# Altium PCB STM32F207VC.PcbDoc (part 8 of 16) (continued)
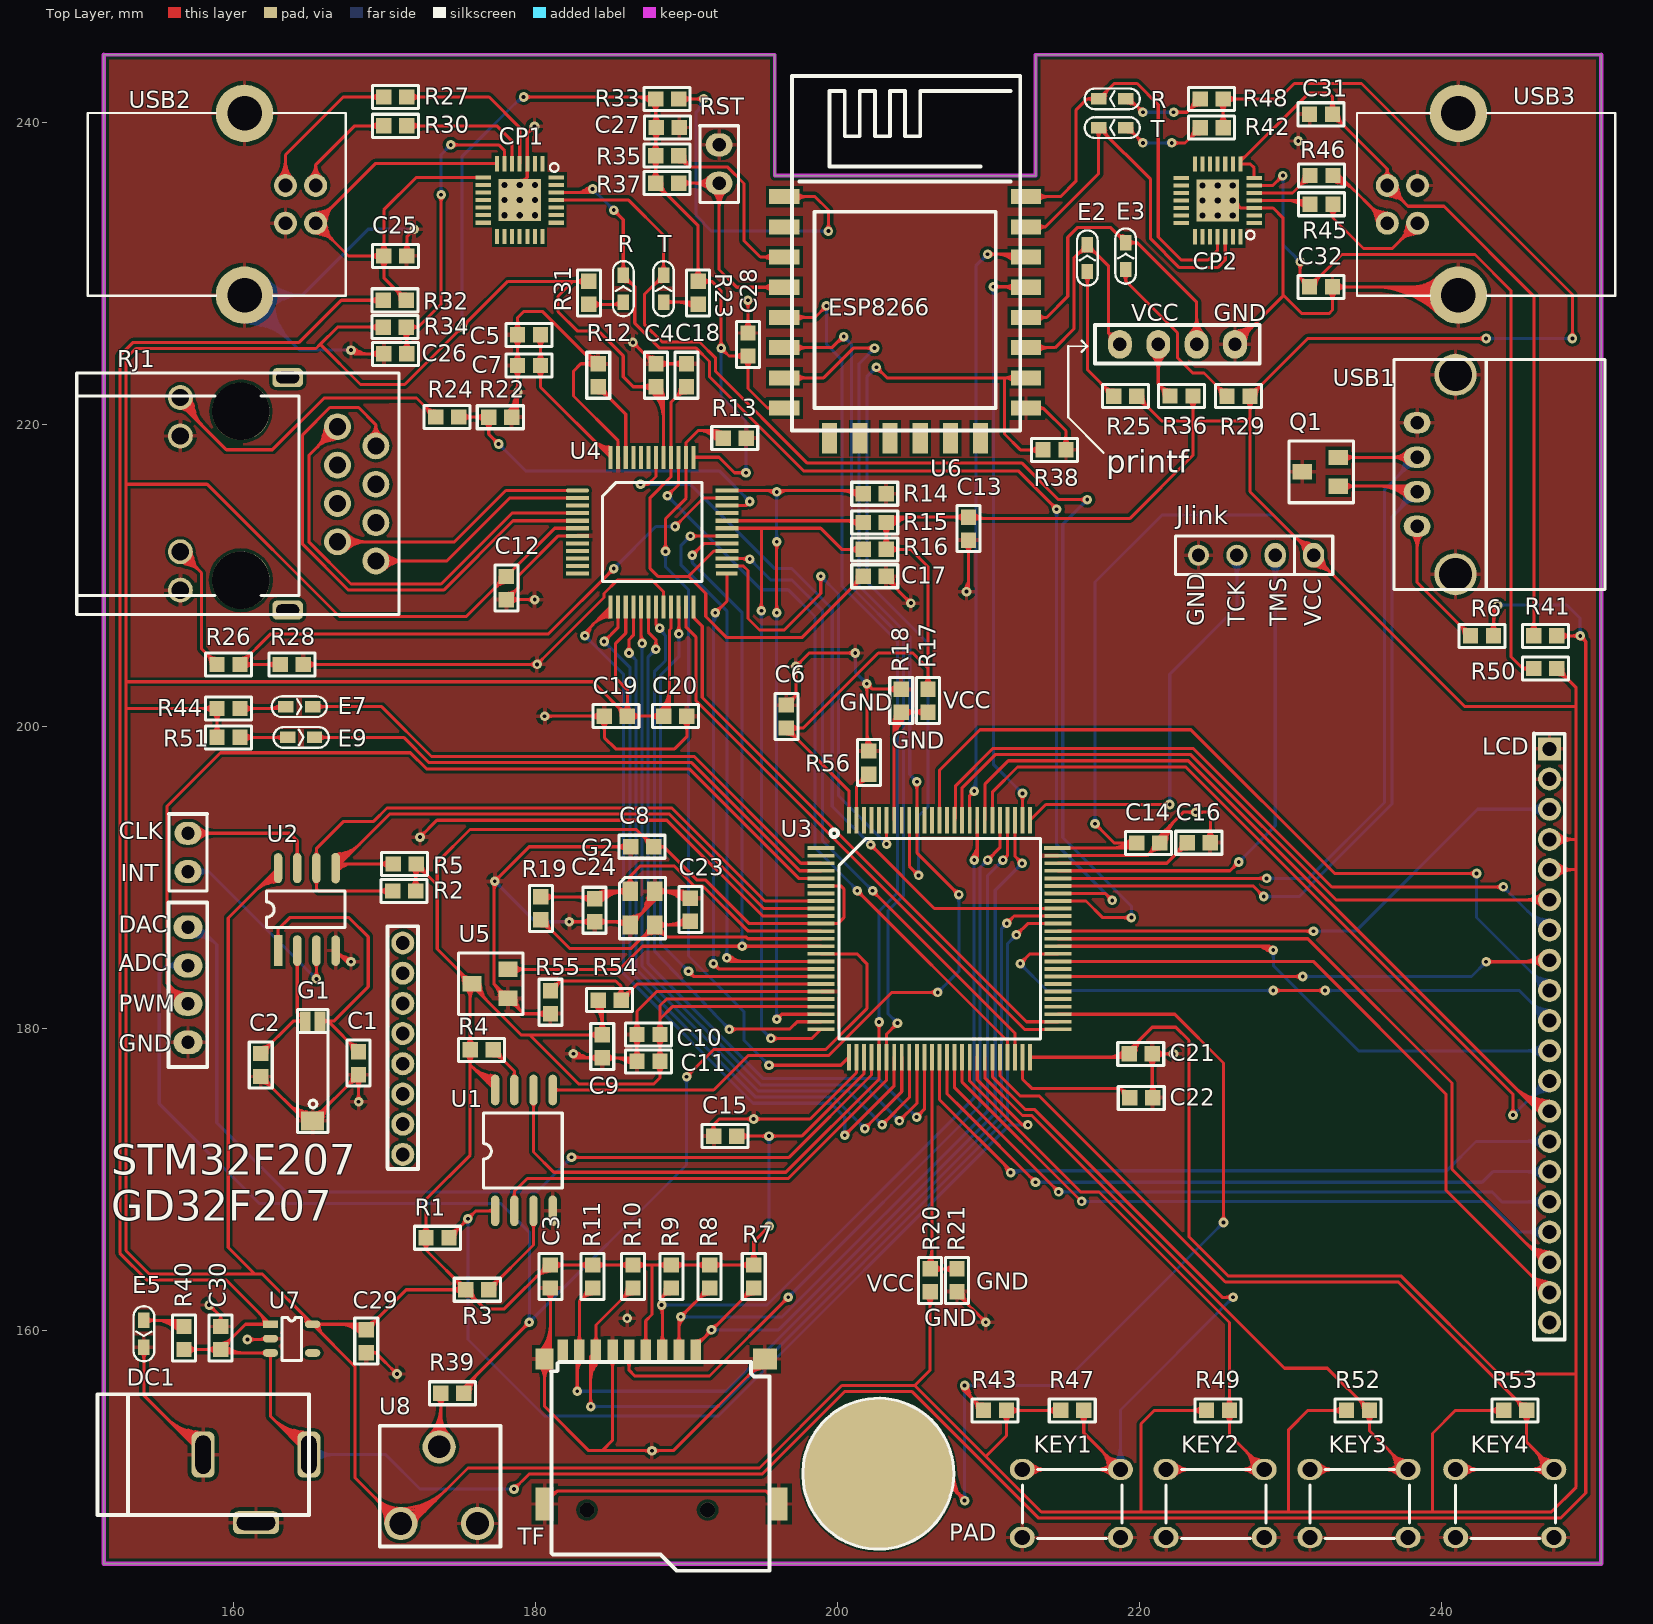
[diagram p0: Top Layer view]
## Nets (pads, with @x,y where several pads share a name; then routed paths per layer and width w, separated by ;. In a path a pad name is that pad's centre, name@x,y a point inside that pad or via, vN(x,y) a via of type N, cw(c..) or ccw(c..) an arc to the next point about the centre after c; other vN are vias at no path point) (continued)
  Bottom Layer w0.203: v1(244.729,174.244) 246.99,176.505 LCD.12@247.147,176.505 ; v1@244.729,174.46 ccw(c244.729,174.981) 245.098,174.613 ; v1@244.729,174.46 ccw(c244.729,174.981) 245.098,174.613 ; v1@244.729,174.46 ccw(c244.729,174.981) 245.098,174.613 ; v1@244.729,174.46 ccw(c244.729,174.981) 245.098,174.613 ; v1@244.945,174.244 cw(c245.466,174.244) 245.098,174.613 ; v1@244.945,174.244 cw(c245.466,174.244) 245.098,174.613 ; v1@244.945,174.244 cw(c245.466,174.244) 245.098,174.613 ; v1@244.945,174.244 cw(c245.466,174.244) 245.098,174.613 ; 245.751,175.266 cw(c247.147,173.87) LCD.12@247.147,175.844 ; 245.751,175.266 cw(c247.147,173.87) LCD.12@247.147,175.844 ; 245.751,175.266 cw(c247.147,173.87) LCD.12@247.147,175.844 ; 245.751,175.266 cw(c247.147,173.87) LCD.12@247.147,175.844 ; 246.098,175.613 cw(c247.147,174.563) LCD.12@247.147,176.047 ; 246.098,175.613 cw(c247.147,174.563) LCD.12@247.147,176.047 ; 246.098,175.613 cw(c247.147,174.563) LCD.12@247.147,176.047 ; 246.098,175.613 cw(c247.147,174.563) LCD.12@247.147,176.047 ; 246.131,175.646 ccw(c245.273,176.505) LCD.12@246.487,176.505 ; 246.131,175.646 ccw(c245.273,176.505) LCD.12@246.487,176.505 ; 246.131,175.646 ccw(c245.273,176.505) LCD.12@246.487,176.505 ; 246.131,175.646 ccw(c245.273,176.505) LCD.12@246.487,176.505 ; 246.445,175.96 cw(c247.147,175.257) LCD.12@247.147,176.251 ; 246.445,175.96 cw(c247.147,175.257) LCD.12@247.147,176.251 ; 246.445,175.96 cw(c247.147,175.257) LCD.12@247.147,176.251 ; 246.445,175.96 cw(c247.147,175.257) LCD.12@247.147,176.251 ; 246.478,175.993 ccw(c245.966,176.505) LCD.12@246.69,176.505 ; 246.478,175.993 ccw(c245.966,176.505) LCD.12@246.69,176.505 ; 246.478,175.993 ccw(c245.966,176.505) LCD.12@246.69,176.505 ; 246.478,175.993 ccw(c245.966,176.505) LCD.12@246.69,176.505
LCD_8BIT_D3: LCD.13 U3.82 | length 165
  Top Layer w0.203: U3.82@209.745,193.778 209.745,196.156 211.303,197.714 223.225,197.714 246.435,174.503 LCD.13@247.147,174.503 ; 246.558,175.08 cw(c246.666,174.106) LCD.13@247.421,174.729 ; 244.804,176.134 ccw(c247.147,178.476) LCD.13@247.147,175.163 ; 244.804,176.134 ccw(c247.147,178.476) LCD.13@247.147,175.163 ; 244.804,176.134 ccw(c247.147,178.476) LCD.13@247.147,175.163 ; 244.804,176.134 ccw(c247.147,178.476) LCD.13@247.147,175.163 ; 245.151,175.787 ccw(c247.147,177.783) LCD.13@247.147,174.96 ; 245.151,175.787 ccw(c247.147,177.783) LCD.13@247.147,174.96 ; 245.151,175.787 ccw(c247.147,177.783) LCD.13@247.147,174.96 ; 245.151,175.787 ccw(c247.147,177.783) LCD.13@247.147,174.96 ; 245.498,175.44 ccw(c247.147,177.089) LCD.13@247.147,174.757 ; 245.498,175.44 ccw(c247.147,177.089) LCD.13@247.147,174.757 ; 245.498,175.44 ccw(c247.147,177.089) LCD.13@247.147,174.757 ; 245.498,175.44 ccw(c247.147,177.089) LCD.13@247.147,174.757 ; 245.734,175.464 cw(c245.299,173.416) LCD.13@247.103,174.477 ; 245.734,175.464 cw(c245.299,173.416) LCD.13@247.103,174.477 ; 245.734,175.464 cw(c245.299,173.416) LCD.13@247.103,174.477 ; 245.734,175.464 cw(c245.299,173.416) LCD.13@247.103,174.477 ; 245.734,175.464 cw(c245.299,173.416) LCD.13@247.103,174.477 ; 245.734,175.464 cw(c245.299,173.416) LCD.13@247.103,174.477 ; 245.837,175.29 cw(c245.44,173.712) LCD.13@246.917,174.396 ; 245.837,175.29 cw(c245.44,173.712) LCD.13@246.917,174.396 ; 245.837,175.29 cw(c245.44,173.712) LCD.13@246.917,174.396 ; 245.837,175.29 cw(c245.44,173.712) LCD.13@246.917,174.396 ; 245.837,175.29 cw(c245.44,173.712) LCD.13@246.917,174.396 ; 245.837,175.29 cw(c245.44,173.712) LCD.13@246.917,174.396 ; 245.845,175.093 ccw(c247.147,176.395) LCD.13@247.147,174.554 ; 245.845,175.093 ccw(c247.147,176.395) LCD.13@247.147,174.554 ; 245.845,175.093 ccw(c247.147,176.395) LCD.13@247.147,174.554 ; 245.845,175.093 ccw(c247.147,176.395) LCD.13@247.147,174.554 ; 245.939,175.081 cw(c245.647,173.991) LCD.13@246.714,174.355 ; 245.939,175.081 cw(c245.647,173.991) LCD.13@246.714,174.355 ; 245.939,175.081 cw(c245.647,173.991) LCD.13@246.714,174.355 ; 245.939,175.081 cw(c245.647,173.991) LCD.13@246.714,174.355 ; 245.939,175.081 cw(c245.647,173.991) LCD.13@246.714,174.355 ; 245.939,175.081 cw(c245.647,173.991) LCD.13@246.714,174.355 ; 246.144,174.823 cw(c246.022,174.366) LCD.13@246.492,174.423 ; 246.144,174.823 ccw(c246.286,175.353) LCD.13@246.677,174.967 ; 246.144,174.823 cw(c246.022,174.366) LCD.13@246.492,174.423 ; 246.144,174.823 ccw(c246.286,175.353) LCD.13@246.677,174.967 ; 246.144,174.823 cw(c246.022,174.366) LCD.13@246.492,174.423 ; 246.144,174.823 ccw(c246.286,175.353) LCD.13@246.677,174.967 ; 246.144,174.823 ccw(c246.286,175.353) LCD.13@246.677,174.967 ; 246.144,174.823 cw(c246.022,174.366) LCD.13@246.492,174.423 ; 246.144,174.823 ccw(c246.286,175.353) LCD.13@246.677,174.967 ; 246.144,174.823 cw(c246.022,174.366) LCD.13@246.492,174.423 ; 246.144,174.823 ccw(c246.286,175.353) LCD.13@246.677,174.967 ; 246.144,174.823 cw(c246.022,174.366) LCD.13@246.492,174.423 ; 246.185,175.368 cw(c245.838,173.733) LCD.13@247.278,174.58 ; 246.185,175.368 cw(c245.838,173.733) LCD.13@247.278,174.58 ; 246.185,175.368 cw(c245.838,173.733) LCD.13@247.278,174.58 ; 246.185,175.368 cw(c245.838,173.733) LCD.13@247.278,174.58 ; 246.185,175.368 cw(c245.838,173.733) LCD.13@247.278,174.58 ; 246.185,175.368 cw(c245.838,173.733) LCD.13@247.278,174.58 ; 246.192,174.746 ccw(c247.147,175.701) LCD.13@247.147,174.351 ; 246.192,174.746 ccw(c247.147,175.701) LCD.13@247.147,174.351 ; 246.192,174.746 ccw(c247.147,175.701) LCD.13@247.147,174.351 ; 246.192,174.746 ccw(c247.147,175.701) LCD.13@247.147,174.351 ; 246.243,174.999 ccw(c246.439,175.73) LCD.13@246.817,175.075 ; 246.243,174.999 ccw(c246.439,175.73) LCD.13@246.817,175.075 ; 246.243,174.999 ccw(c246.439,175.73) LCD.13@246.817,175.075 ; 246.243,174.999 ccw(c246.439,175.73) LCD.13@246.817,175.075 ; 246.243,174.999 ccw(c246.439,175.73) LCD.13@246.817,175.075 ; 246.243,174.999 ccw(c246.439,175.73) LCD.13@246.817,175.075 ; 246.251,175.186 cw(c245.937,173.942) LCD.13@247.101,174.482 ; 246.251,175.186 cw(c245.937,173.942) LCD.13@247.101,174.482 ; 246.251,175.186 cw(c245.937,173.942) LCD.13@247.101,174.482 ; 246.251,175.186 cw(c245.937,173.942) LCD.13@247.101,174.482 ; 246.251,175.186 cw(c245.937,173.942) LCD.13@247.101,174.482 ; 246.251,175.186 cw(c245.937,173.942) LCD.13@247.101,174.482 ; 246.307,174.982 cw(c246.081,174.139) LCD.13@246.907,174.421 ; 246.307,174.982 cw(c246.081,174.139) LCD.13@246.907,174.421 ; 246.307,174.982 cw(c246.081,174.139) LCD.13@246.907,174.421 ; 246.307,174.982 cw(c246.081,174.139) LCD.13@246.907,174.421 ; 246.307,174.982 cw(c246.081,174.139) LCD.13@246.907,174.421 ; 246.307,174.982 cw(c246.081,174.139) LCD.13@246.907,174.421 ; 246.332,175.237 cw(c245.892,174.79) LCD.13@246.503,174.65 ; 246.332,175.237 ccw(c246.711,175.622) LCD.13@246.907,175.118 ; 246.332,175.237 ccw(c246.711,175.622) LCD.13@246.907,175.118 ; 246.332,175.237 cw(c245.892,174.79) LCD.13@246.503,174.65 ; 246.332,175.237 ccw(c246.711,175.622) LCD.13@246.907,175.118 ; 246.332,175.237 cw(c245.892,174.79) LCD.13@246.503,174.65 ; 246.332,175.237 ccw(c246.711,175.622) LCD.13@246.907,175.118 ; 246.332,175.237 cw(c245.892,174.79) LCD.13@246.503,174.65 ; 246.348,175.077 cw(c245.856,174.666) LCD.13@246.492,174.586 ; 246.348,175.077 ccw(c246.573,175.265) LCD.13@246.75,175.031 ; 246.348,175.077 ccw(c246.573,175.265) LCD.13@246.75,175.031 ; 246.348,175.077 cw(c245.856,174.666) LCD.13@246.492,174.586 ; 246.348,175.077 ccw(c246.573,175.265) LCD.13@246.75,175.031 ; 246.348,175.077 cw(c245.856,174.666) LCD.13@246.492,174.586 ; 246.348,175.077 ccw(c246.573,175.265) LCD.13@246.75,175.031 ; 246.348,175.077 cw(c245.856,174.666) LCD.13@246.492,174.586 ; 246.485,174.913 ccw(c246.702,175.094) LCD.13@246.872,174.868 ; 246.485,174.913 ccw(c246.702,175.094) LCD.13@246.872,174.868 ; 246.485,174.913 ccw(c246.702,175.094) LCD.13@246.872,174.868 ; 246.485,174.913 ccw(c246.702,175.094) LCD.13@246.872,174.868 ; 246.555,175.017 ccw(c246.836,175.302) LCD.13@246.981,174.929 ; 246.555,175.017 ccw(c246.836,175.302) LCD.13@246.981,174.929 ; 246.555,175.017 ccw(c246.836,175.302) LCD.13@246.981,174.929 ; 246.555,175.017 ccw(c246.836,175.302) LCD.13@246.981,174.929 ; 246.636,175.272 cw(c246.377,174.05) LCD.13@247.454,174.683 ; 246.636,175.272 cw(c246.377,174.05) LCD.13@247.454,174.683 ; 246.636,175.272 cw(c246.377,174.05) LCD.13@247.454,174.683 ; 246.636,175.272 cw(c246.377,174.05) LCD.13@247.454,174.683 ; 246.636,175.272 cw(c246.377,174.05) LCD.13@247.454,174.683 ; 246.636,175.272 cw(c246.377,174.05) LCD.13@247.454,174.683 ; 246.66,175.189 cw(c246.542,175.069) LCD.13@246.665,174.954 ; 246.66,175.189 ccw(c246.845,175.377) LCD.13@246.932,175.127 ; 246.66,175.189 ccw(c246.845,175.377) LCD.13@246.932,175.127 ; 246.66,175.189 cw(c246.542,175.069) LCD.13@246.665,174.954 ; 246.66,175.189 ccw(c246.845,175.377) LCD.13@246.932,175.127 ; 246.66,175.189 cw(c246.542,175.069) LCD.13@246.665,174.954 ; 246.66,175.189 ccw(c246.845,175.377) LCD.13@246.932,175.127 ; 246.66,175.189 cw(c246.542,175.069) LCD.13@246.665,174.954
LCD_8BIT_D4: LCD.14 U3.38 | length 72.5
  Top Layer w0.203: U3.38@206.745,178.078 206.745,175.271 207.01,175.006 v1@211.455,170.561 ; 210.997,171.019 cw(c210.411,170.434) v1@211.239,170.434 ; 210.997,171.019 cw(c210.411,170.434) v1@211.239,170.434 ; 210.997,171.019 cw(c210.411,170.434) v1@211.239,170.434 ; 210.997,171.019 cw(c210.411,170.434) v1@211.239,170.434 ; 211.139,170.806 ccw(c211.658,170.945) v1@211.46,170.446 ; 211.139,170.806 ccw(c211.658,170.945) v1@211.46,170.446 ; 211.139,170.806 ccw(c211.658,170.945) v1@211.46,170.446 ; 211.139,170.806 ccw(c211.658,170.945) v1@211.46,170.446 ; 211.139,170.806 ccw(c211.658,170.945) v1@211.46,170.446
  Bottom Layer w0.203: v1@211.455,170.561 240.335,170.561 242.278,172.504 LCD.14@247.147,172.504 ; v1@211.464,170.425 cw(c211.792,170.097) 211.792,170.561 ; v1@211.464,170.425 cw(c211.792,170.097) 211.792,170.561 ; v1@211.464,170.425 cw(c211.792,170.097) 211.792,170.561 ; v1@211.464,170.425 cw(c211.792,170.097) 211.792,170.561 ; v1@211.608,170.281 cw(c212.283,169.606) 212.283,170.561 ; v1@211.608,170.281 cw(c212.283,169.606) 212.283,170.561 ; v1@211.608,170.281 cw(c212.283,169.606) 212.283,170.561 ; v1@211.608,170.281 cw(c212.283,169.606) 212.283,170.561 ; 245.553,172.504 cw(c245.553,170.91) LCD.14@246.68,172.037 ; 245.553,172.504 ccw(c245.553,174.098) LCD.14@246.68,172.971 ; 245.553,172.504 cw(c245.553,170.91) LCD.14@246.68,172.037 ; 245.553,172.504 ccw(c245.553,174.098) LCD.14@246.68,172.971 ; 245.553,172.504 ccw(c245.553,174.098) LCD.14@246.68,172.971 ; 245.553,172.504 cw(c245.553,170.91) LCD.14@246.68,172.037 ; 245.553,172.504 ccw(c245.553,174.098) LCD.14@246.68,172.971 ; 245.553,172.504 cw(c245.553,170.91) LCD.14@246.68,172.037 ; 246.043,172.504 cw(c246.043,171.4) LCD.14@246.824,172.181 ; 246.043,172.504 ccw(c246.043,173.608) LCD.14@246.824,172.827 ; 246.043,172.504 cw(c246.043,171.4) LCD.14@246.824,172.181 ; 246.043,172.504 ccw(c246.043,173.608) LCD.14@246.824,172.827 ; 246.043,172.504 ccw(c246.043,173.608) LCD.14@246.824,172.827 ; 246.043,172.504 cw(c246.043,171.4) LCD.14@246.824,172.181 ; 246.043,172.504 ccw(c246.043,173.608) LCD.14@246.824,172.827 ; 246.043,172.504 cw(c246.043,171.4) LCD.14@246.824,172.181
  other v1: 211.455,170.434
LCD_8BIT_D5: LCD.15 U3.39 | length 73.7
  Top Layer w0.203: U3.39@207.245,178.078 207.245,175.66 208.407,174.498 v1(213.106,169.799) ; 212.737,170.168 cw(c212.369,169.799) v1@212.89,169.799 ; 212.737,170.168 ccw(c213.106,170.536) v1@213.106,170.015 ; 212.737,170.168 cw(c212.369,169.799) v1@212.89,169.799 ; 212.737,170.168 ccw(c213.106,170.536) v1@213.106,170.015 ; 212.737,170.168 ccw(c213.106,170.536) v1@213.106,170.015 ; 212.737,170.168 cw(c212.369,169.799) v1@212.89,169.799 ; 212.737,170.168 ccw(c213.106,170.536) v1@213.106,170.015 ; 212.737,170.168 cw(c212.369,169.799) v1@212.89,169.799 ; 212.812,170.091 ccw(c213.186,170.191) v1@213.109,169.811 ; 212.812,170.091 ccw(c213.186,170.191) v1@213.109,169.811 ; 212.812,170.091 ccw(c213.186,170.191) v1@213.109,169.811 ; 212.812,170.091 ccw(c213.186,170.191) v1@213.109,169.811 ; 212.812,170.091 ccw(c213.186,170.191) v1@213.109,169.811 ; 212.812,170.091 ccw(c213.186,170.191) v1@213.109,169.811 ; 212.814,170.093 cw(c212.714,169.719) v1@213.094,169.796 ; 212.814,170.093 cw(c212.714,169.719) v1@213.094,169.796 ; 212.814,170.093 cw(c212.714,169.719) v1@213.094,169.796 ; 212.814,170.093 cw(c212.714,169.719) v1@213.094,169.796 ; 212.814,170.093 cw(c212.714,169.719) v1@213.094,169.796 ; 212.814,170.093 cw(c212.714,169.719) v1@213.094,169.796
  Bottom Layer w0.203: v1(213.106,169.799) 242.687,169.799 243.39,170.503 LCD.15@247.147,170.503 ; v1@213.259,169.646 cw(c213.627,169.278) 213.627,169.799 ; v1@213.259,169.646 cw(c213.627,169.278) 213.627,169.799 ; v1@213.259,169.646 cw(c213.627,169.278) 213.627,169.799 ; v1@213.259,169.646 cw(c213.627,169.278) 213.627,169.799 ; v1@213.259,169.952 ccw(c213.627,170.32) 213.627,169.799 ; v1@213.259,169.952 ccw(c213.627,170.32) 213.627,169.799 ; v1@213.259,169.952 ccw(c213.627,170.32) 213.627,169.799 ; v1@213.259,169.952 ccw(c213.627,170.32) 213.627,169.799 ; 245.553,170.503 cw(c245.553,168.908) LCD.15@246.68,170.036 ; 245.553,170.503 ccw(c245.553,172.097) LCD.15@246.68,170.97 ; 245.553,170.503 cw(c245.553,168.908) LCD.15@246.68,170.036 ; 245.553,170.503 ccw(c245.553,172.097) LCD.15@246.68,170.97 ; 245.553,170.503 ccw(c245.553,172.097) LCD.15@246.68,170.97 ; 245.553,170.503 cw(c245.553,168.908) LCD.15@246.68,170.036 ; 245.553,170.503 ccw(c245.553,172.097) LCD.15@246.68,170.97 ; 245.553,170.503 cw(c245.553,168.908) LCD.15@246.68,170.036 ; 246.043,170.503 cw(c246.043,169.399) LCD.15@246.824,170.179 ; 246.043,170.503 ccw(c246.043,171.606) LCD.15@246.824,170.826 ; 246.043,170.503 cw(c246.043,169.399) LCD.15@246.824,170.179 ; 246.043,170.503 ccw(c246.043,171.606) LCD.15@246.824,170.826 ; 246.043,170.503 ccw(c246.043,171.606) LCD.15@246.824,170.826 ; 246.043,170.503 cw(c246.043,169.399) LCD.15@246.824,170.179 ; 246.043,170.503 ccw(c246.043,171.606) LCD.15@246.824,170.826 ; 246.043,170.503 cw(c246.043,169.399) LCD.15@246.824,170.179
LCD_8BIT_D6: LCD.16 U3.40 | length 73.2
  Top Layer w0.203: U3.40@207.745,178.078 207.745,176.049 209.804,173.99 v1(214.63,169.164) ; 214.261,169.533 cw(c213.893,169.164) v1@214.414,169.164 ; 214.261,169.533 ccw(c214.63,169.901) v1@214.63,169.38 ; 214.261,169.533 cw(c213.893,169.164) v1@214.414,169.164 ; 214.261,169.533 ccw(c214.63,169.901) v1@214.63,169.38 ; 214.261,169.533 ccw(c214.63,169.901) v1@214.63,169.38 ; 214.261,169.533 cw(c213.893,169.164) v1@214.414,169.164 ; 214.261,169.533 ccw(c214.63,169.901) v1@214.63,169.38 ; 214.261,169.533 cw(c213.893,169.164) v1@214.414,169.164 ; 214.336,169.456 ccw(c214.71,169.556) v1@214.633,169.176 ; 214.336,169.456 ccw(c214.71,169.556) v1@214.633,169.176 ; 214.336,169.456 ccw(c214.71,169.556) v1@214.633,169.176 ; 214.336,169.456 ccw(c214.71,169.556) v1@214.633,169.176 ; 214.336,169.456 ccw(c214.71,169.556) v1@214.633,169.176 ; 214.336,169.456 ccw(c214.71,169.556) v1@214.633,169.176 ; 214.338,169.458 cw(c214.238,169.084) v1@214.618,169.161 ; 214.338,169.458 cw(c214.238,169.084) v1@214.618,169.161 ; 214.338,169.458 cw(c214.238,169.084) v1@214.618,169.161 ; 214.338,169.458 cw(c214.238,169.084) v1@214.618,169.161 ; 214.338,169.458 cw(c214.238,169.084) v1@214.618,169.161 ; 214.338,169.458 cw(c214.238,169.084) v1@214.618,169.161
  Bottom Layer w0.203: v1(214.63,169.164) 243.332,169.164 243.992,168.504 LCD.16@247.147,168.504 ; v1@214.783,169.011 cw(c215.151,168.643) 215.151,169.164 ; v1@214.783,169.011 cw(c215.151,168.643) 215.151,169.164 ; v1@214.783,169.011 cw(c215.151,168.643) 215.151,169.164 ; v1@214.783,169.011 cw(c215.151,168.643) 215.151,169.164 ; v1@214.783,169.317 ccw(c215.151,169.685) 215.151,169.164 ; v1@214.783,169.317 ccw(c215.151,169.685) 215.151,169.164 ; v1@214.783,169.317 ccw(c215.151,169.685) 215.151,169.164 ; v1@214.783,169.317 ccw(c215.151,169.685) 215.151,169.164 ; 245.553,168.504 cw(c245.553,166.909) LCD.16@246.68,168.037 ; 245.553,168.504 ccw(c245.553,170.098) LCD.16@246.68,168.971 ; 245.553,168.504 cw(c245.553,166.909) LCD.16@246.68,168.037 ; 245.553,168.504 ccw(c245.553,170.098) LCD.16@246.68,168.971 ; 245.553,168.504 ccw(c245.553,170.098) LCD.16@246.68,168.971 ; 245.553,168.504 cw(c245.553,166.909) LCD.16@246.68,168.037 ; 245.553,168.504 ccw(c245.553,170.098) LCD.16@246.68,168.971 ; 245.553,168.504 cw(c245.553,166.909) LCD.16@246.68,168.037 ; 246.043,168.504 cw(c246.043,167.4) LCD.16@246.824,168.18 ; 246.043,168.504 ccw(c246.043,169.607) LCD.16@246.824,168.827 ; 246.043,168.504 cw(c246.043,167.4) LCD.16@246.824,168.18 ; 246.043,168.504 ccw(c246.043,169.607) LCD.16@246.824,168.827 ; 246.043,168.504 ccw(c246.043,169.607) LCD.16@246.824,168.827 ; 246.043,168.504 cw(c246.043,167.4) LCD.16@246.824,168.18 ; 246.043,168.504 ccw(c246.043,169.607) LCD.16@246.824,168.827 ; 246.043,168.504 cw(c246.043,167.4) LCD.16@246.824,168.18
LCD_8BIT_D7: LCD.17 U3.41 | length 64.9
  Top Layer w0.203: U3.41@208.245,178.078 208.245,176.432 216.148,168.529 v1(216.154,168.529)
  Bottom Layer w0.203: v1(216.154,168.529) 243.078,168.529 245.102,166.505 LCD.17@247.147,166.505 ; v1@216.307,168.376 cw(c216.675,168.008) 216.675,168.529 ; v1@216.307,168.376 cw(c216.675,168.008) 216.675,168.529 ; v1@216.307,168.376 cw(c216.675,168.008) 216.675,168.529 ; v1@216.307,168.376 cw(c216.675,168.008) 216.675,168.529 ; v1@216.307,168.682 ccw(c216.675,169.05) 216.675,168.529 ; v1@216.307,168.682 ccw(c216.675,169.05) 216.675,168.529 ; v1@216.307,168.682 ccw(c216.675,169.05) 216.675,168.529 ; v1@216.307,168.682 ccw(c216.675,169.05) 216.675,168.529 ; 245.553,166.505 cw(c245.553,164.91) LCD.17@246.68,166.038 ; 245.553,166.505 ccw(c245.553,168.099) LCD.17@246.68,166.972 ; 245.553,166.505 cw(c245.553,164.91) LCD.17@246.68,166.038 ; 245.553,166.505 ccw(c245.553,168.099) LCD.17@246.68,166.972 ; 245.553,166.505 ccw(c245.553,168.099) LCD.17@246.68,166.972 ; 245.553,166.505 cw(c245.553,164.91) LCD.17@246.68,166.038 ; 245.553,166.505 ccw(c245.553,168.099) LCD.17@246.68,166.972 ; 245.553,166.505 cw(c245.553,164.91) LCD.17@246.68,166.038 ; 246.043,166.505 cw(c246.043,165.401) LCD.17@246.824,166.181 ; 246.043,166.505 ccw(c246.043,167.608) LCD.17@246.824,166.828 ; 246.043,166.505 cw(c246.043,165.401) LCD.17@246.824,166.181 ; 246.043,166.505 ccw(c246.043,167.608) LCD.17@246.824,166.828 ; 246.043,166.505 ccw(c246.043,167.608) LCD.17@246.824,166.828 ; 246.043,166.505 cw(c246.043,165.401) LCD.17@246.824,166.181 ; 246.043,166.505 ccw(c246.043,167.608) LCD.17@246.824,166.828 ; 246.043,166.505 cw(c246.043,165.401) LCD.17@246.824,166.181
LCD_8BIT_D/C: LCD.8 U3.58 | length 66
  Top Layer w0.203: U3.58@214.595,183.428 v1(230.799,183.428) ; v1(242.951,184.404) 247.048,184.404 LCD.8@247.147,184.503 ; 230.278,183.428 cw(c230.278,182.907) v1@230.646,183.275 ; 230.278,183.428 ccw(c230.278,183.949) v1@230.646,183.581 ; 230.278,183.428 cw(c230.278,182.907) v1@230.646,183.275 ; 230.278,183.428 ccw(c230.278,183.949) v1@230.646,183.581 ; 230.278,183.428 ccw(c230.278,183.949) v1@230.646,183.581 ; 230.278,183.428 cw(c230.278,182.907) v1@230.646,183.275 ; 230.278,183.428 ccw(c230.278,183.949) v1@230.646,183.581 ; 230.278,183.428 cw(c230.278,182.907) v1@230.646,183.275 ; v1@243.104,184.251 cw(c243.472,183.883) 243.472,184.404 ; v1@243.104,184.251 cw(c243.472,183.883) 243.472,184.404 ; v1@243.104,184.251 cw(c243.472,183.883) 243.472,184.404 ; v1@243.104,184.251 cw(c243.472,183.883) 243.472,184.404 ; v1@243.104,184.557 ccw(c243.472,184.925) 243.472,184.404 ; v1@243.104,184.557 ccw(c243.472,184.925) 243.472,184.404 ; v1@243.104,184.557 ccw(c243.472,184.925) 243.472,184.404 ; v1@243.104,184.557 ccw(c243.472,184.925) 243.472,184.404 ; 245.314,184.404 ccw(c245.314,186.337) LCD.8@246.68,184.97 ; 245.314,184.404 ccw(c245.314,186.337) LCD.8@246.68,184.97 ; 245.314,184.404 ccw(c245.314,186.337) LCD.8@246.68,184.97 ; 245.314,184.404 ccw(c245.314,186.337) LCD.8@246.68,184.97 ; 245.792,184.404 cw(c245.792,183.148) LCD.8@246.68,184.036 ; 245.792,184.404 cw(c245.792,183.148) LCD.8@246.68,184.036 ; 245.792,184.404 cw(c245.792,183.148) LCD.8@246.68,184.036 ; 245.792,184.404 cw(c245.792,183.148) LCD.8@246.68,184.036 ; 245.804,184.404 ccw(c245.804,185.846) LCD.8@246.824,184.826 ; 245.804,184.404 ccw(c245.804,185.846) LCD.8@246.824,184.826 ; 245.804,184.404 ccw(c245.804,185.846) LCD.8@246.824,184.826 ; 245.804,184.404 ccw(c245.804,185.846) LCD.8@246.824,184.826 ; 246.282,184.404 cw(c246.282,183.638) LCD.8@246.824,184.18 ; 246.282,184.404 cw(c246.282,183.638) LCD.8@246.824,184.18 ; 246.282,184.404 cw(c246.282,183.638) LCD.8@246.824,184.18 ; 246.282,184.404 cw(c246.282,183.638) LCD.8@246.824,184.18 ; 246.295,184.404 ccw(c246.295,185.355) LCD.8@246.967,184.683 ; 246.295,184.404 ccw(c246.295,185.355) LCD.8@246.967,184.683 ; 246.295,184.404 ccw(c246.295,185.355) LCD.8@246.967,184.683 ; 246.295,184.404 ccw(c246.295,185.355) LCD.8@246.967,184.683
  Bottom Layer w0.203: v1(230.799,183.428) 241.975,183.428 v1(242.951,184.404) ; v1@230.952,183.275 cw(c231.32,182.907) 231.32,183.428 ; v1@230.952,183.275 cw(c231.32,182.907) 231.32,183.428 ; v1@230.952,183.275 cw(c231.32,182.907) 231.32,183.428 ; v1@230.952,183.275 cw(c231.32,182.907) 231.32,183.428 ; v1@230.952,183.581 ccw(c231.32,183.949) 231.32,183.428 ; v1@230.952,183.581 ccw(c231.32,183.949) 231.32,183.428 ; v1@230.952,183.581 ccw(c231.32,183.949) 231.32,183.428 ; v1@230.952,183.581 ccw(c231.32,183.949) 231.32,183.428 ; 242.582,184.035 cw(c242.951,183.667) v1@242.951,184.188 ; 242.582,184.035 ccw(c242.214,184.404) v1@242.735,184.404 ; 242.582,184.035 cw(c242.951,183.667) v1@242.951,184.188 ; 242.582,184.035 ccw(c242.214,184.404) v1@242.735,184.404 ; 242.582,184.035 ccw(c242.214,184.404) v1@242.735,184.404 ; 242.582,184.035 cw(c242.951,183.667) v1@242.951,184.188 ; 242.582,184.035 ccw(c242.214,184.404) v1@242.735,184.404 ; 242.582,184.035 cw(c242.951,183.667) v1@242.951,184.188
LCD_8BIT_FMARK: LCD.19 U3.60 | length 100.7
  Top Layer w0.203: U3.60@214.595,184.428 231.497,184.428 240.284,175.641 240.284,169.291 247.073,162.502 LCD.19@247.142,162.502 ; 245.898,163.677 ccw(c247.142,164.922) LCD.19@247.142,163.162 ; 245.898,163.677 ccw(c247.142,164.922) LCD.19@247.142,163.162 ; 245.898,163.677 ccw(c247.142,164.922) LCD.19@247.142,163.162 ; 245.898,163.677 ccw(c247.142,164.922) LCD.19@247.142,163.162 ; 246.063,163.512 cw(c245.053,162.502) LCD.19@246.482,162.502 ; 246.063,163.512 cw(c245.053,162.502) LCD.19@246.482,162.502 ; 246.063,163.512 cw(c245.053,162.502) LCD.19@246.482,162.502 ; 246.063,163.512 cw(c245.053,162.502) LCD.19@246.482,162.502 ; 246.187,163.418 cw(c245.858,162.191) LCD.19@247.093,162.49 ; 246.187,163.418 cw(c245.858,162.191) LCD.19@247.093,162.49 ; 246.187,163.418 cw(c245.858,162.191) LCD.19@247.093,162.49 ; 246.187,163.418 cw(c245.858,162.191) LCD.19@247.093,162.49 ; 246.187,163.418 cw(c245.858,162.191) LCD.19@247.093,162.49 ; 246.187,163.418 cw(c245.858,162.191) LCD.19@247.093,162.49 ; 246.244,163.331 ccw(c247.142,164.228) LCD.19@247.142,162.959 ; 246.244,163.331 ccw(c247.142,164.228) LCD.19@247.142,162.959 ; 246.244,163.331 ccw(c247.142,164.228) LCD.19@247.142,162.959 ; 246.244,163.331 ccw(c247.142,164.228) LCD.19@247.142,162.959 ; 246.331,163.064 ccw(c247.277,163.318) LCD.19@247.117,162.351 ; 246.331,163.064 ccw(c247.277,163.318) LCD.19@247.117,162.351 ; 246.331,163.064 ccw(c247.277,163.318) LCD.19@247.117,162.351 ; 246.331,163.064 ccw(c247.277,163.318) LCD.19@247.117,162.351 ; 246.331,163.064 ccw(c247.277,163.318) LCD.19@247.117,162.351 ; 246.331,163.064 ccw(c247.277,163.318) LCD.19@247.117,162.351 ; 246.41,163.165 cw(c245.747,162.502) LCD.19@246.685,162.502 ; 246.41,163.165 cw(c245.747,162.502) LCD.19@246.685,162.502 ; 246.41,163.165 cw(c245.747,162.502) LCD.19@246.685,162.502 ; 246.41,163.165 cw(c245.747,162.502) LCD.19@246.685,162.502 ; 246.412,162.76 ccw(c247.221,162.976) LCD.19@247.084,162.151 ; 246.412,162.76 ccw(c247.221,162.976) LCD.19@247.084,162.151 ; 246.412,162.76 ccw(c247.221,162.976) LCD.19@247.084,162.151 ; 246.412,162.76 ccw(c247.221,162.976) LCD.19@247.084,162.151 ; 246.412,162.76 ccw(c247.221,162.976) LCD.19@247.084,162.151 ; 246.412,162.76 ccw(c247.221,162.976) LCD.19@247.084,162.151 ; 246.517,163.329 cw(c246.237,162.283) LCD.19@247.29,162.537 ; 246.517,163.329 cw(c246.237,162.283) LCD.19@247.29,162.537 ; 246.517,163.329 cw(c246.237,162.283) LCD.19@247.29,162.537 ; 246.517,163.329 cw(c246.237,162.283) LCD.19@247.29,162.537 ; 246.517,163.329 cw(c246.237,162.283) LCD.19@247.29,162.537 ; 246.517,163.329 cw(c246.237,162.283) LCD.19@247.29,162.537 ; 246.592,163.106 cw(c246.416,162.453) LCD.19@247.091,162.498 ; 246.592,163.106 cw(c246.416,162.453) LCD.19@247.091,162.498 ; 246.592,163.106 cw(c246.416,162.453) LCD.19@247.091,162.498 ; 246.592,163.106 cw(c246.416,162.453) LCD.19@247.091,162.498 ; 246.592,163.106 cw(c246.416,162.453) LCD.19@247.091,162.498 ; 246.592,163.106 cw(c246.416,162.453) LCD.19@247.091,162.498 ; 246.848,163.241 cw(c246.616,162.374) LCD.19@247.488,162.585 ; 246.848,163.241 cw(c246.616,162.374) LCD.19@247.488,162.585 ; 246.848,163.241 cw(c246.616,162.374) LCD.19@247.488,162.585 ; 246.848,163.241 cw(c246.616,162.374) LCD.19@247.488,162.585 ; 246.848,163.241 cw(c246.616,162.374) LCD.19@247.488,162.585 ; 246.848,163.241 cw(c246.616,162.374) LCD.19@247.488,162.585
MCU_LED: E9.2 U3.4 | length 41.4
  Top Layer w0.203: E9.2@165.354,199.263 171.256,199.263 172.933,197.587 190.332,197.587 197.49,190.428 U3.4@198.895,190.428 ; E9.2@165.679,199.065 cw(c166.156,198.588) 166.156,199.263 ; E9.2@165.679,199.065 cw(c166.156,198.588) 166.156,199.263 ; E9.2@165.679,199.065 cw(c166.156,198.588) 166.156,199.263 ; E9.2@165.679,199.065 cw(c166.156,198.588) 166.156,199.263 ; E9.2@165.679,199.461 ccw(c166.156,199.938) 166.156,199.263 ; E9.2@165.679,199.461 ccw(c166.156,199.938) 166.156,199.263 ; E9.2@165.679,199.461 ccw(c166.156,199.938) 166.156,199.263 ; E9.2@165.679,199.461 ccw(c166.156,199.938) 166.156,199.263
MCU_LED2: E7.2 U3.3 | length 42.2
  Top Layer w0.203: E7.2@165.227,201.295 169.799,201.295 173.101,197.993 190.5,197.993 197.565,190.928 U3.3@198.895,190.928 ; E7.2@165.552,201.097 cw(c166.029,200.62) 166.029,201.295 ; E7.2@165.552,201.097 cw(c166.029,200.62) 166.029,201.295 ; E7.2@165.552,201.097 cw(c166.029,200.62) 166.029,201.295 ; E7.2@165.552,201.097 cw(c166.029,200.62) 166.029,201.295 ; E7.2@165.552,201.493 ccw(c166.029,201.97) 166.029,201.295 ; E7.2@165.552,201.493 ccw(c166.029,201.97) 166.029,201.295 ; E7.2@165.552,201.493 ccw(c166.029,201.97) 166.029,201.295 ; E7.2@165.552,201.493 ccw(c166.029,201.97) 166.029,201.295